# KiCad board iMX6_BareBones.kicad_pcb (continued)
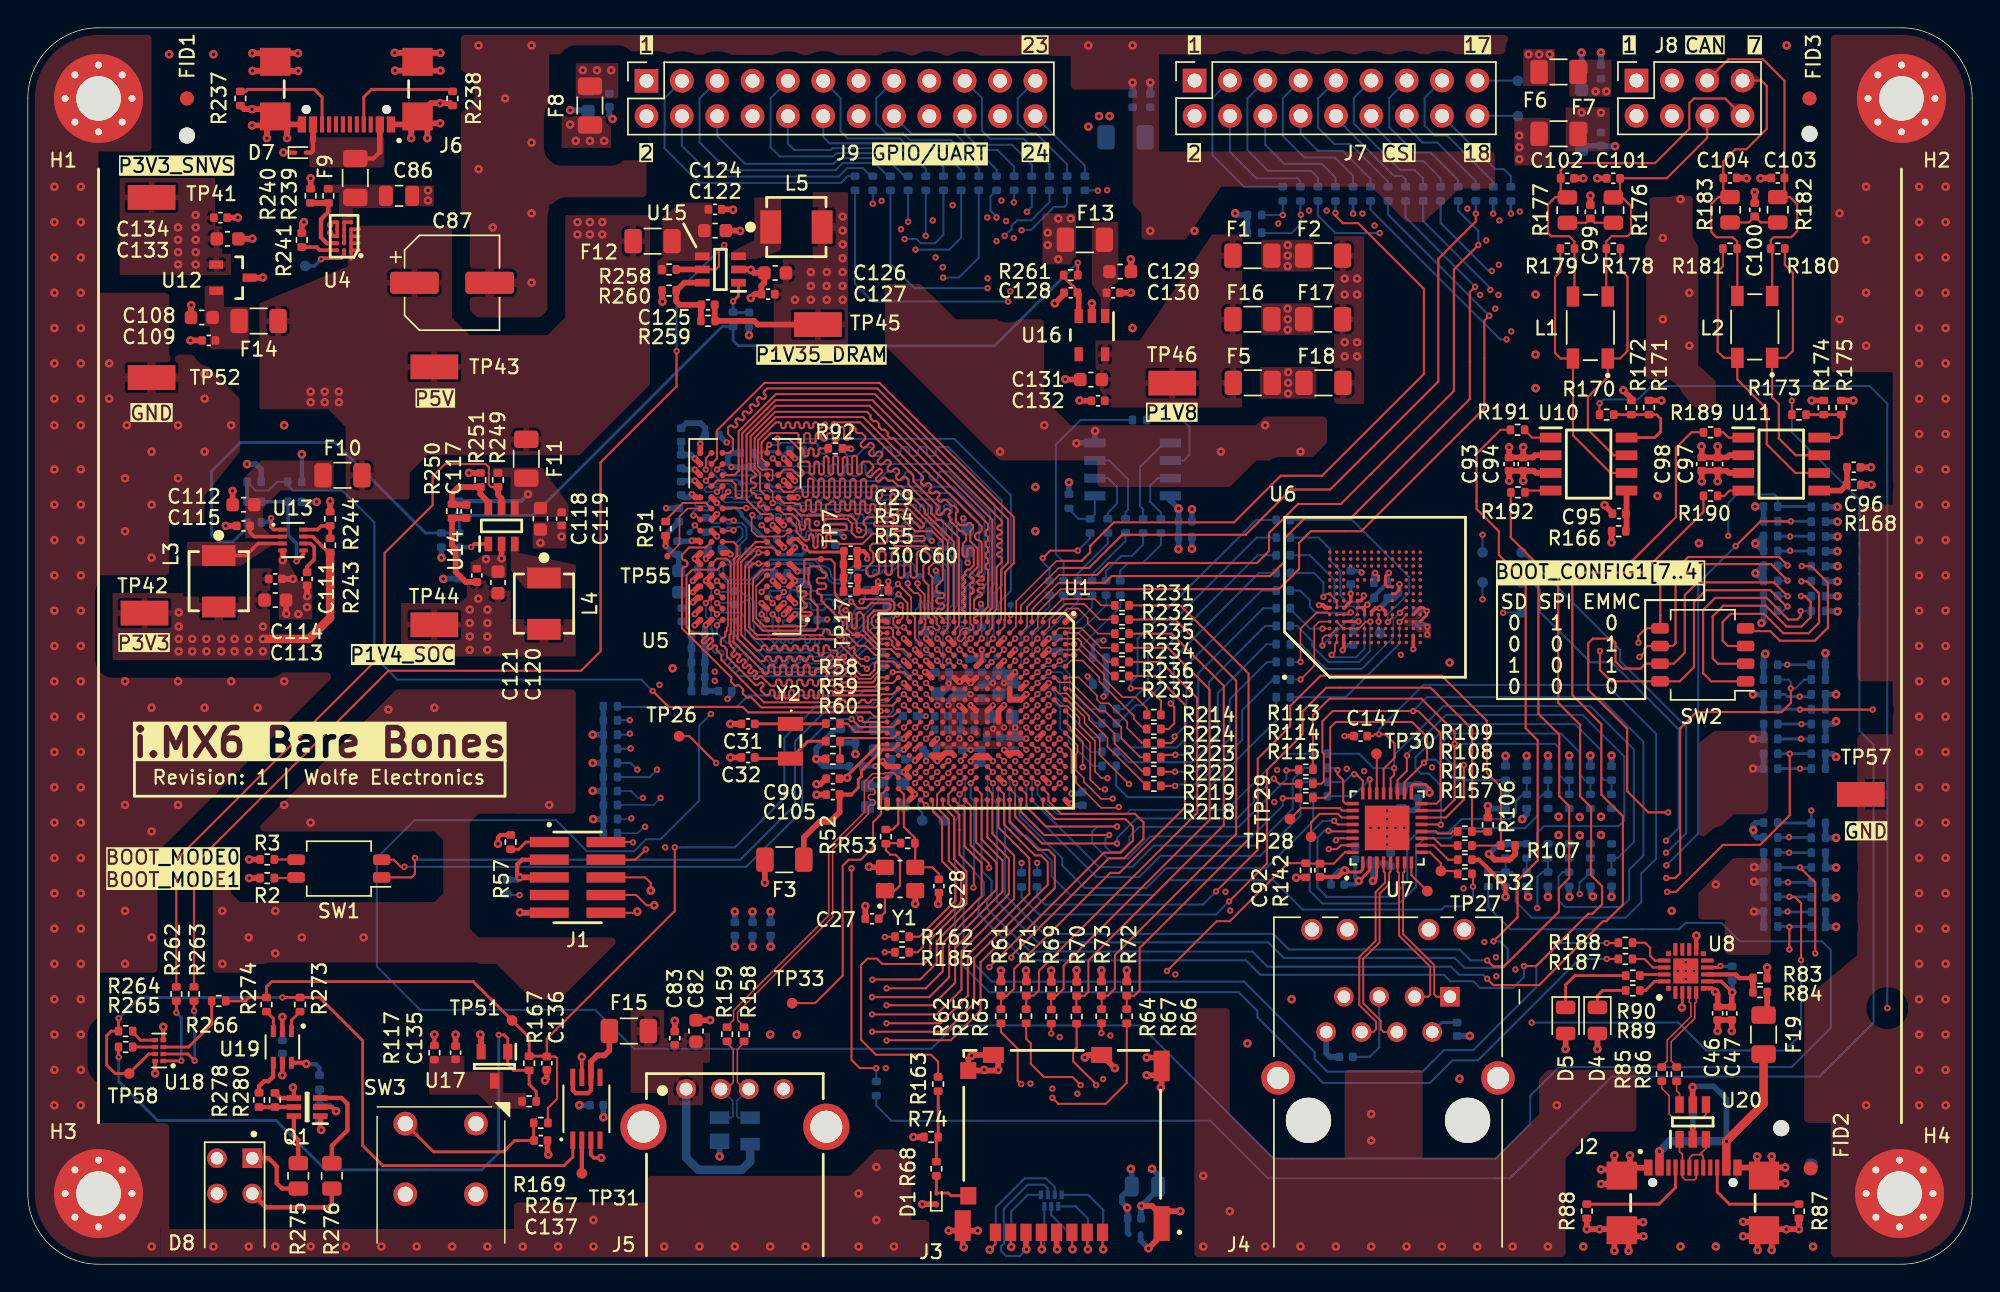
[diagram p0: board, top side]
## Routing (per net, layer and track width the routed paths; a pad name or vN(x,y) marks a point on that pad's centre or on a via; arc(x,y) is an arc through that point) (continued)
Net-(U6A-DATA_STROBE): length 1.4
  Top w0.143: U6.H5 97.04,46.21 v1(97.05,46.2)
  Bottom w0.143: TP34.1 97.05,45.47 v1(97.05,46.2)
Net-(U7-TXC): length 2.9
  Top w0.143: TP30.1 96.92,36.68 96.92,33.85 U7.22
Net-(U7-TXD2): length 4.9
  Top w0.143: U7.26 94.43,32.62 94.26,32.79 91.47,32.79 TP29.1
Net-(U7-TXD3): length 4.4
  Top w0.143: U7.27 94.4,32.12 94.14,32.38 92.81,32.38 92.2,31.78 TP28.1
Net-(U7-XO): length 2.5
  Top w0.143: TP27.1 99.41,27.97 U7.8
Net-(U9-FLG): length 2.4
  Top w0.305: TP31.1 39.81,6.53 U9.2
Net-(U18A-1A): length 5.7
  Top w0.203: v1(10.67,18.08) R262.2 ; U18.1 11.01,14.61 v1(11.02,14.63)
  Bottom w0.203: v1(10.67,18.08) 11.02,17.73 v1(11.02,14.63)
Net-(U18A-1B): length 6.8
  Top w0.203: R263.2 v1(11.94,18.21) ; U18.2 11.51,15.11 v1(11.99,14.63)
  Bottom w0.203: v1(11.94,18.21) 11.99,18.16 v1(11.99,14.63)
Net-(U19-1A): length 1.7
  Top w0.203: 19.56,18.16 18.94,17.54 U19.1
Net-(U19-2A): length 1.6
  Top w0.203: 17.14,18.16 17.64,17.67 U19.3

## Copper pours and planes (outline as drawn; the poured copper is in the pictures)
/Signal_Map/iMX6_Power/VDD_ARM_CAP on Top: 69.35,39.38 70.06,39.38 70.06,37.86 68.61,37.86 68.61,38.62 69.35,38.62
/Signal_Map/iMX6_Power/VDD_ARM_CAP on Bottom: 70.36,38.82 68.59,38.82 68.59,37.5 69.32,37.5 69.32,38.37 70.36,38.37
/Signal_Map/iMX6_Power/VDD_ARM_CAP on Bottom: 69.3,41.41 70.39,41.41 70.39,41.08 71.36,41.08 71.36,40.02 69.88,40.02 69.88,40.5 69.3,40.5
/Signal_Map/iMX6_Power/VDD_HIGH_CAP on In3.Cu: 64.06,43.15 67.39,43.21 67.41,35.59 63.35,35.59 63.35,35.06 62.59,35.05 62.59,36.63 64.87,36.63 64.87,42.19 64.06,42.19
/Signal_Map/iMX6_Power/VDD_SOC_CAP on Top: 65.92,41.24 68.03,41.24 68.03,41.08 70.06,41.08 70.06,40.22 66.83,40.22 66.83,38.59 68.48,38.59 68.46,37.78 65.92,37.81
/Signal_Map/iMX6_Power/VDD_SOC_CAP on Bottom: 65.84,40.28 66.4,40.28 66.4,37.55 65.84,37.55
/Signal_Map/Power2/P1V4_LX on Top: 34.7,51.77 35.26,51.77 35.26,51.16 39.37,50.29 39.37,48.56 35.71,48.56 34.7,49.89
/Signal_Map/Power2/P1V35_LX on Top: 50.55,72.77 52.2,73.66 52.2,76.71 54.12,76.71 54.1,72.9 52.32,72.26 50.55,72.26
/Signal_Map/Power/P3V3_SW on Top: 17.53,51.94 11.43,51.94 11.43,50.17 15.24,50.17 17.53,51.69
GND on Top: 32.38,67.94 31.11,69.22 31.11,88.9 106.68,88.9 106.68,87 81.28,87 81.28,80.01 105.41,80.01 105.41,77.34 102.87,77.34 100.33,74.93 99.06,74.93 96.52,77.47 85.72,77.47 83.19,73.66 80.01,73.66 80.01,75.56 79.38,76.2 79.38,84.45 74.93,84.45 74.93,86.87 37.46,87 37.46,79.38 44.45,79.38 44.45,76.2 37.46,76.2 37.46,68.58 36.83,67.94
GND on Top: 83.82,18.42 83.82,0 110.49,0 110.49,7.62 112.39,9.53 115.57,9.53 115.57,13.97 109.22,13.97 108.59,13.33 108.59,10.8 105.41,7.62 100.22,7.62 100.22,13.97 94.61,13.97 94.61,7.62 89.53,7.62 86.36,10.8 86.36,18.42
GND on Top: 18.03,50.67 18.03,46.36 20.45,46.36 20.45,49.15 19.43,49.15 18.67,50.67
GND on Top: 5.08,80.01 5.08,69.85 10.16,69.85 10.16,65.38 12.06,65.41 15.24,62.23 15.24,58.42 12.7,55.25 12.7,53.34 10.16,53.34 10.16,49.53 5.08,49.53 5.08,42.55 22.86,42.55 14.6,34.29 14.6,26.67 15.24,26.03 29.21,26.03 29.84,26.67 29.84,30.48 29.21,31.11 15.88,31.11 15.88,31.75 26.03,42.55 39.37,42.55 39.37,32.39 32.38,32.39 31.75,31.75 31.75,24.13 32.38,23.5 42.54,23.5 42.54,22.86 38.73,19.05 36.19,19.05 33.66,21.59 16.51,21.59 15.85,20.95 5.08,20.95 5.08,10.16 10.16,10.14 10.16,-0.02 0,0 0,88.9 8.89,88.9 8.89,80.01
GND on Top: 9.52,-0.02 9.52,2.54 34.92,2.54 34.92,4.44 44.45,4.44 44.45,6.35 59.06,6.35 60.96,8.25 63.5,8.25 63.5,3.17 64.77,3.17 64.77,0
GND on Top: 70.77,41.18 70.77,42.38 70.19,42.38 70.19,42.1 69,42.09 68.99,41.74 66.45,41.74 66.45,42.07 65.89,42.07 65.89,41.69 65.54,41.69 65.54,41.18
GND on Top: 65.94,40.8 65.13,40.8 65.13,39.89 65.54,39.89 65.54,38.01 65.92,37.98
GND on Top: 120.01,26.67 122.56,29.21 125.23,29.21 125.23,22.22 121.92,22.22 121.92,24.77 120.01,24.77
GND on Top: 116.2,76.84 120.01,76.84 120.01,64.64 121.28,63.5 121.28,61.59 119.76,61.59 118.11,63.5 116.2,63.5
GND on Top: 31.8,50.44 32.77,51 34.39,51 34.39,49.33 33.32,49.33 32.56,49.73 31.8,49.73
GND on Top: 120.01,37.47 121.28,38.42 125.04,38.42 125.04,32.35 122.56,32.35 120.65,30.48 120.01,30.48
GND on Top: 36.27,53.39 38.71,53.39 38.71,51.46 36.27,51.46
GND on Top: 27.09,77.56 29.17,77.56 29.17,76.06 27.09,76.06
GND on Top: 65.41,37.06 70.89,37.05 70.89,37.54 71.98,37.54 71.98,38.07 71.53,38.07 71.53,38.81 70.82,38.81 70.82,40.13 70.26,40.13 70.26,37.64 67.28,37.64 67.28,38.05 66.65,38.05 66.65,37.59 65.41,37.59
GND on Top: 129.54,0 139.7,0 139.7,88.9 129.54,88.9 129.54,64.13 133.98,64.13 133.98,54.61 131.44,54.61 131.44,41.91 133.98,41.91 133.98,38.1 131.44,38.1 131.44,22.22 127.63,19.05 127.63,10.16 129.54,10.16
GND on Top: 93.34,59.06 92.07,57.78 88.26,57.78 86.36,55.88 76.84,55.88 76.84,57.78 69.85,57.78 61.59,66.04 61.59,70.48 64.13,70.48 66.67,67.94 73.03,67.94 73.03,62.23 74.93,60.33 88.26,60.33 88.9,60.96 93.34,60.96
GND on Bottom: 139.7,88.9 125.22,88.9 125.22,80.65 124.46,80.01 116.2,80.01 116.2,78.74 109.22,78.74 109.22,74.93 107.95,73.66 107.95,65.41 107.31,64.77 105.41,64.77 98.42,71.75 97.16,71.75 97.16,64.13 96.52,63.5 92.07,63.5 92.07,60.33 89.53,58.42 89.53,55.25 96.52,55.25 100.33,50.8 102.23,50.8 102.23,52.83 104.78,54.61 104.78,57.15 105.41,57.78 108.59,57.78 109.22,57.15 109.22,52.07 114.94,46.36 118.11,46.36 118.11,49.53 120.65,52.07 120.65,53.97 118.75,55.88 118.75,57.78 122.56,57.78 123.82,56.52 127,56.52 127,57.78 125.09,59.69 125.09,61.59 118.75,61.59 117.47,60.33 111.76,60.33 111.12,60.96 111.12,64.13 111.76,64.77 132.72,64.77 134.62,62.86 134.62,17.14 129.54,12.06 123.82,12.06 123.82,4.92 115.57,4.92 115.57,11.43 113.66,11.43 107.31,5.08 88.26,5.08 84.45,8.89 82.55,8.89 82.55,1.91 78.74,1.91 78.74,0 139.7,0
GND on Bottom: 58.42,23.5 60.96,26.03 60.96,26.67 55.25,26.67 55.25,22.22 54.61,21.59 49.53,21.59 48.89,22.22 48.89,26.92 46.99,26.92 46.99,23.5 46.35,22.86 41.91,22.86 41.28,23.5 41.28,26.67 36.83,26.67 36.83,25.4 36.19,24.77 31.75,24.77 31.11,25.4 31.11,26.67 27.3,26.67 27.3,22.22 29.84,19.69 41.91,19.69 45.09,16.51 58.42,16.54
GND on Bottom: 64.01,34.01 63.53,34.01 63.53,33.88 62.1,33.88 62.1,34.04 59.82,34.04 59.82,32.39 63.5,32.39 63.5,33.53 64.01,33.53
GND on Bottom: 49.53,61.59 51.44,61.59 52.07,60.96 67.94,60.96 69.22,59.69 71.75,59.69 74.93,62.86 84.45,62.86 85.09,62.23 85.09,54.61 87.63,54.61 87.63,59.06 89.53,60.33 89.53,61.59 88.9,62.23 88.62,72.39 85.72,72.39 85.09,73.03 85.09,77.47 84.45,78.1 79.38,78.1 79.38,73.66 78.74,73.03 78.74,70.48 77.98,69.85 75.56,69.85 70.48,64.77 49.53,64.77
GND on Bottom: 94.49,33.02 100.41,33.02 100.41,31.37 99.57,31.37 98.68,30.48 98.68,29.34 97.54,29.34 97.54,29.97 96.01,29.97 96.01,29.84 94.49,29.84
GND on Bottom: 47.99,45.01 48.17,45.72 48.17,47.03 47.56,47.03 47.32,46.57 46.65,46.57 46.65,45 47.99,45
GND on Bottom: 64.88,41.49 65.64,41.49 65.64,38.09 64.88,38.09
GND on Bottom: 0,88.9 37.46,88.9 37.46,78.74 45.09,78.74 47.62,76.33 47.62,73.66 44.45,70.48 44.45,64.77 36.19,56.52 27.94,56.39 24.13,60.33 24.13,64.13 23.37,64.77 17.14,64.77 11.43,58.42 11.43,51.94 8.89,49.53 8.89,43.18 9.52,42.55 22.86,42.55 24.77,40.64 38.73,40.64 38.73,33.66 38.1,33.02 26.67,33.02 23.49,29.84 23.49,20.32 27.3,17.14 27.3,14.61 31.75,14.61 31.75,12.19 23.49,12.19 23.49,14.61 20.32,17.14 20.32,20.95 5.71,20.95 5.08,20.32 5.08,12.19 8.25,8.89 11.43,8.89 11.43,3.17 18.41,3.17 19.05,3.81 19.05,5.08 24.77,5.08 24.77,3.17 25.4,2.54 34.92,2.54 35.56,3.17 35.56,16.51 38.1,16.51 38.1,9.53 38.73,8.89 41.28,8.89 42.54,7.62 42.54,6.98 43.18,6.35 46.35,6.35 47.62,5.08 57.78,5.08 60.32,7.62 66.67,7.62 66.67,0 0,0
GND on In1.Cu, In4.Cu: 0,88.9 139.7,88.9 139.7,0 0,0
GND on In2.Cu: 0,88.9 42.16,88.9 42.16,75.95 52.58,75.95 52.58,68.83 39.88,56.39 39.88,49.02 0,48.77
GND on In3.Cu: 0,88.9 36.58,88.9 36.58,80.26 125.22,80.26 125.22,88.9 139.7,88.9 139.7,0 0,0
P1V4_SOC on Top: 26.82,47.55 30.99,47.55 31.55,48.01 31.55,49.23 32.77,49.23 33.32,48.46 34.7,48.46 34.7,46.38 39.37,46.38 39.37,43.69 26.82,43.69
P1V4_SOC on Top: 67.13,39.99 69.15,39.99 69.14,38.77 67.13,38.76
P1V4_SOC on Bottom: 68.21,40.98 68.92,40.98 68.92,40.37 69.55,40.37 69.55,39.97 69.65,39.97 69.65,38.9 68.31,38.9 68.31,37.55 67.49,37.55 67.49,39.94 66.68,39.94 66.68,40.37 68.21,40.37
P1V4_SOC on In2.Cu: 40.39,48.51 47.02,40.16 60.2,40.13 62.69,41.1 70.46,41.11 70.46,37.34 64.95,37.34 64.16,37.92 58.22,37.92 57.53,37.29 27.43,37.34 26.72,38.1 26.72,48.51
P1V8 on Top: 79.88,66.42 85.09,74.04 87.25,74.04 87.25,61.21 77.22,61.21 77.22,62.61 76.84,63.12 76.84,64.13 76.71,64.52 76.71,66.42
P1V8_EMMC_IO on Top: 100.28,46.94 99.54,46.94 99.54,46.43 98.81,46.43 98.81,45.87 99.69,45.87 99.69,45.44 100.28,45.44 100.28,45.01 100.84,45.01 100.84,46.1 100.28,46.1
P1V8_EMMC_IO on Top: 88.52,64.52 92.58,64.52 92.58,62.23 88.52,62.23
P1V8_EMMC_IO on In2.Cu: 101.09,54.86 92.96,61.98 92.96,65.02 88.65,65.02 88.65,52.83 98.81,52.83 98.81,49.02 93.98,49.02 93.98,47.75 98.81,47.75 98.81,44.7 101.09,44.7
P1V35_DRAM on Top: 58.93,77.09 58.93,65.53 53.59,65.53 53.59,70.48 54.23,70.48 54.23,72.26 56.39,72.26 56.39,77.09
P1V35_DRAM on Top: 70.09,41.9 70.09,42.66 65.39,42.66 65.39,41.87
P1V35_DRAM on Bottom: 48.27,43.6 49,43.6 49.99,42.2 49.99,40.7 48.27,40.7
P1V35_DRAM on Bottom: 46.28,48.79 47.24,48.79 47.74,50.28 48.46,50.28 48.46,49.59 48.18,49.17 48.18,47.35 47.33,47.35 47.33,46.86 46.28,46.86
P1V35_DRAM on Bottom: 66.68,41.67 66.68,42.91 68.97,42.91 68.97,42.15 68.08,42.15 68.07,41.66
P1V35_DRAM on In2.Cu: 59.18,75.77 53.34,75.77 53.34,68.83 40.39,56.13 40.39,49.53 47.47,40.64 59.94,40.64 61.72,41.4 69.85,41.4 69.85,46.99 71.21,46.99 71.17,64.01
P3V3 on Top: 75.31,75.56 72.9,75.56 72.9,71.88 75.31,71.88
P3V3 on Top: 107.44,87.38 109.73,87.38 109.73,84.71 107.44,84.71
P3V3 on Top: 17.4,48.64 17.53,48.64 17.53,50.04 16,50.04 16,48.01 11.18,48.01 11.18,48.26 6.1,48.26 6.1,43.43 17.4,43.43
P3V3 on Top: 93.85,73.91 96.01,73.91 96.01,61.85 93.85,61.85
P3V3 on Top: 38.35,82.55 41.91,82.55 41.91,80.26 38.35,80.26
P3V3 on Bottom: 114.17,31.14 114.17,29.95 108.89,29.95 108.89,31.14
P3V3 on Bottom: 75.69,83.06 78.23,83.06 78.23,80.01 75.69,80.01
P3V3 on Bottom: 114.15,33.05 114.15,31.85 108.86,31.85 108.86,33.05
P3V3 on In2.Cu: 18.03,32.51 19.3,31.24 37.59,31.24 37.59,9.91 40.89,9.91 49.53,26.16 55.12,26.16 55.12,31.75 60.71,31.75 60.71,36.07 61.47,36.07 61.47,35.56 65.02,35.56 65.02,36.83 69.85,36.83 69.85,37.34 70.61,37.34 70.61,36.83 71.37,36.83 71.37,39.62 87.63,39.62 88.9,40.89 88.9,52.07 98.3,52.07 98.3,49.33 93.73,49.33 93.73,47.5 95.71,47.52 98.3,47.52 98.3,44.2 101.6,44.2 101.6,55.12 93.47,62.23 93.47,74.42 82.8,74.42 82.8,54.86 83.82,54.86 83.82,50.8 82.8,50.8 82.8,47.5 82.04,46.74 73.91,46.79 73.91,43.94 72.9,43.94 72.9,46.79 71.63,46.79 71.63,64.52 60.71,74.93 60.71,75.95 70.36,75.95 71.88,77.47 104.9,77.47 104.9,55.12 112.01,55.12 112.01,63.5 119.13,63.5 119.13,55.12 125.22,55.12 125.22,86.87 113.54,86.87 113.54,83.06 106.17,83.06 106.17,86.87 82.04,86.87 82.04,81.03 74.17,81.03 74.17,86.87 42.54,86.87 42.54,80.14 38.1,80.14 38.1,88.27 130.81,88.27 130.81,80.01 139.06,80.01 139.06,10.16 129.54,10.16 129.54,0.64 10.16,0.61 10.16,10.14 0.63,10.14 0.63,59.44 18.03,59.44
P3V3_CAM on Bottom: 78.99,83.44 82.04,83.44 82.04,83.95 84.84,83.95 84.84,79.63 78.99,79.63
P3V3_CAN on Top: 113.79,86.61 110.74,86.61 110.74,83.95 113.79,83.95
P3V3_CAN on Bottom: 116.97,86.49 113.79,86.49 113.79,85.6 112.52,85.6 112.52,84.96 110.87,84.96 110.87,83.95 113.92,83.95 113.92,84.2 116.97,84.2
P3V3_EXT on Top: 39.37,86.36 42.42,86.36 42.42,83.82 39.37,83.82
P3V3_EXT on Bottom: 39.37,86.36 41.4,88.27 66.29,88.27 66.29,83.57 63.25,83.57 63.25,86.36 45.72,86.36 45.72,83.82 39.37,83.82
P3V3_LDO1V8_VIN on Top: 76.45,74.93 78.36,74.93 78.36,70.61 77.85,70.36 77.85,69.47 77.72,69.09 77.72,68.2 77.09,68.2 77.09,69.47 76.45,70.48
P3V3_SNVS on Top: 6.6,78.1 13.46,78.1 13.46,74.63 13.97,74.63 13.97,72.64 14.6,72.64 14.6,71.12 6.6,71.12
P3V3_SNVS on In2.Cu: 5.59,78.49 16.64,78.49 16.64,71.88 26.16,65.79 26.16,37.59 26.92,36.83 57.66,36.83 58.42,37.59 64.52,37.59 64.52,36.07 57.91,36.07 57.15,34.8 24.13,34.8 23.37,35.56 23.37,64.26 13.46,70.61 5.59,70.61
P3V3_SUP on Top: 28.83,14.99 31.37,14.99 31.37,13.84 34.16,13.84 34.16,12.32 35.81,12.32 35.81,11.18 33.4,11.18 32.38,12.19 28.83,12.19
P5V on Top: 106.81,82.42 109.35,82.42 109.35,78.99 106.81,78.99
P5V on Top: 30.48,68.07 30.48,74.68 23.62,74.68 23.62,72.39 22.99,72.39 22.99,71.75 16.64,69.09 16.64,61.47 21.59,61.47 22.83,60.2 22.83,54.99 27.43,54.99 27.43,56.9 28.7,58.17 39.62,58.17 44.7,63.25 44.7,75.44 38.61,75.44 38.61,68.07 37.34,66.8 31.75,66.8
P5V on In2.Cu: 41.91,73.41 41.91,75.95 42.42,76.45 70.1,76.45 71.63,77.98 105.29,77.98 105.41,55.63 111.51,55.63 111.51,64.01 119.63,64.01 119.63,55.63 124.71,55.63 124.71,80.52 114.81,80.52 112.78,82.55 106.43,82.55 106.43,80.52 38.86,80.52 38.86,73.41
P5V on In2.Cu: 22.86,63.75 22.84,35.05 23.62,34.29 57.66,34.29 58.42,35.56 60.2,35.56 60.2,32.51 54.36,32.51 54.36,26.92 49.02,26.92 40.39,10.67 38.35,10.67 38.35,14.73 38.46,31.75 19.56,31.75 18.67,32.51 18.67,63.75
P5V_BUCK1V4_VIN on Top: 34.67,56.59 33.38,56.59 33.38,57.28 36.96,57.28 38.86,54.61 38.86,53.72 34.67,53.72
P5V_BUCK1V35_VIN on Top: 49.15,72.14 45.97,72.14 45.97,71.12 45.21,71.12 45.21,72.14 45.59,72.39 45.59,75.31 46.99,76.33 49.15,76.33
P5V_BUCK3V3_VIN on Top: 17.4,52.45 16.89,52.96 16.89,54.36 18.16,55.63 21.97,55.63 21.97,57.78 16.76,57.78 15.62,56.64 15.62,52.2 17.4,52.2
P5V_CAN on Top: 110.49,83.19 110.49,80.01 113.66,80.01 113.66,83.19
P5V_CAN on Bottom: 111.12,83.44 114.17,83.44 114.17,83.95 116.97,83.95 116.97,81.03 111.12,81.03
P5V_LDO3V3_VIN on Top: 12.7,70.36 14.1,70.36 14.1,68.83 15.88,68.83 15.88,65.79 13.08,65.79 13.08,67.44 12.7,67.44
P5V_USB_HOST on Top: 43.31,18.29 45.72,18.29 45.72,16.26 47.12,16.26 47.12,16.64 49.02,16.64 49.02,14.48 48.51,14.48 48.51,11.43 45.97,11.43 45.97,12.32 43.31,12.32
P5V_VBUS on Top: 20.22,81.02 25.61,81.02 25.61,78.86 20.22,78.86
P5V_VBUS_OVLO on Top: 21.26,77.62 26.29,77.62 26.29,75.95 23.37,75.95 23.37,74.93 22.58,74.93 22.58,75.44 22.35,75.44 22.35,77.04 21.26,77.04
/Signal_Map/iMX6_Power/NVCC_PLL on Bottom: 62.95,36.54 62.92,34.1 63.48,34.1 63.51,36.54
DRAM_VREF on Bottom: 55.51,52.01 58.99,52.01 63.02,51.97 63.02,51.32 64.19,51.32 64.88,50.51 64.88,48.6 65.61,48.6 65.61,47.77 63.61,47.77 63.61,44.56 63.96,44.31 63.96,43.93 63.3,43.93 63.3,45.27 63.05,45.27 63.05,48.47 64.41,48.47 64.41,50.17 63.58,50.85 62.31,50.85 62.31,51.29 58.2,51.27 55.51,51.27
NVCC_CSI on Top: 88.62,71.37 88.62,73.66 92.43,73.66 92.43,71.37
NVCC_CSI on In2.Cu: 92.71,70.61 85.6,70.61 85.6,44.2 84.33,43.18 74.68,43.18 74.68,42.67 70.36,42.67 70.36,46.23 72.64,46.23 72.64,43.94 74.42,43.94 74.42,46.23 82.55,46.23 83.31,46.99 83.31,50.29 84.07,50.29 84.33,50.55 84.33,55.12 84.07,55.37 83.31,55.37 83.31,73.91 92.71,73.91
NVCC_NAND on Top: 88.62,69.09 92.43,69.09 92.43,66.8 88.62,66.8
NVCC_NAND on In2.Cu: 92.71,69.34 92.71,66.04 88.14,66.04 88.14,41.15 87.12,40.13 71.36,40.13 71.37,42.16 75.18,42.16 75.18,42.67 84.84,42.67 86.11,43.69 86.11,69.34

Small or netless copper shapes (teardrops, artwork), in the pictures only: 13 on Top, 32 on Bottom

## Text on the board
B.Silkscreen: 0 | 1 | BOOT_CFG1 / [0   ..   7] | BOOT_CFG2 / [0   ..   7] | BOOT_CFG4 / [0   ..   7]
F.Silkscreen: Revision: 1 | Wolfe Electronics | P3V3 | GND | BOOT_MODE0 / BOOT_MODE1 | P3V3_SNVS | P1V4_SOC | P5V | 1 | 2 | P1V35_DRAM | GPIO/UART | 23 | 24 | P1V8 | CSI | 17 | 18 | 0 | SD SPI EMMC | BOOT_CONFIG1[7..4] | CAN | 7 | i.MX6 Bare Bones
Fabrication_Notes: LAYER 1   COMPONENT/SIGNAL | LAYER 2   GROUND | LAYER 3   POWER | LAYER 4   SIGNAL | LAYER 5   GROUND | LAYER 6   COMPONENT/SIGNAL | 1 OZ | NOTES: UNLESS OTHERWISE SPECIFIED. / 1. FABRICATE PER IPC-6012A CLASS 2. / 2. FOR BOARD THICKNESS AND IMPEDANCE DETAILS / REFER STACKUP DOCUMENT. / 3. PRINTED WIRING BOARD SHALL COMPLY WITH / REQUIREMENTS OF ANSI/J-STD-003. / 4. SURFACE FINISH: ENIG / 5. SOLDERMASK ON BOTH SIDES OF THE BOARD SHALL / BE LPI, COLOR GREEN. / 6. SILK SCREEN LEGEND TO BE APPLIED PER LAYER / STACKUP USING WHITE NON-CONDUCTIVE EPOXY INK. / 7. THIS PRINTED WIRING BOARD IS DESIGNED WITH A / MINIMUM CONDUCTOR WIDTH AND SPACING OF / 4 MIL & 4 MILS. / 8. ALL VIAS ARE TENTED ON BOTH SIDES UNLESS / SOLDERMASK OPENED IN GERBER. / 9. ALL VIAS ON PAD SHOULD BE FILLED WITH NON / CONDUCTIVE EPOXY AND SURFACE SHOULD BE FLAT. / FLATNESS TOLERANCE FOR VIA ON / PADS: +0.000 /- 0.001 INCHES ON BOTH SIDES. / THE MANUFACTURER IS REQUESTED TO SIZE PER / THEIR SOLDERMASK TOLERANCE. / 10. SOLDER MASK OPENING IS KEPT SAME SIZE AS / PAD (1:1) FOR ALL COMPONENTS / 11. MANUFACTURER'S IDENTIFICATION, DATECODE LETTER / SHALL BE SILKSCREENED ON SOLDER SIDE OF THE BOARD. / 12. TRACE WIDTH SHOULD BE ACCURATELY ETCHED. / MAX TOLERANCE +/- 1 MIL / 13. ALL DIMENSIONS ARE IN INCHES UNLESS OTHERWISE / SPECIFIED. / 14. FLATNESS REQUIREMENTS: / A. BOW AND TWIST OF ASSEMBLY SUB-PANEL OR / SINGULATED PWB SHALL NOT EXCEED 0.7% OF / LONGEST SIDE / B. TEST IN ACCORDANCE WITH THE CURRENT REVISION / OF IPC-TM-650 2.4.22 / 15. LAYER TO LAYER REGISTRATION SHALL BE WITHIN +/-2 MIL / 16. IMPEDANCE CONTROL REQUIREMENTS / (ALL TOLERANCES +/- 10%): / A. ALL 5.62 MIL WIDE SINGLE-END TRACES ON / LAYER 1 (F.Cu) AND LAYER 6 (B.Cu) / SHALL BE 50 OHMS. / B. ALL 5.21 MIL WIDE/6.00 MIL SPACE PAIRS ON / LAYER 1 (F.Cu) AND LAYER 6 (B.Cu) / SHALL BE 90 OHMS. / C. ALL 4.30 MIL WIDE/7.00 MIL SPACE PAIRS ON / LAYER 1 (F.Cu) AND LAYER 6 (B.Cu) / SHALL BE 100 OHMS. / D. ANY ADJUSTMENTS OF LINE WIDTH, SPACING OR / DIELECTRIC THICKNESS SHALL REQUIRE APPROVAL / FROM ANDREW WOLFE. / E. TEST COUPONS SHALL BE PLACED AS REQUIRED BY / MANUFACTURER FOR IMPEDANCE MEASUREMENTS. / F. IMPEDANCE TEST RESULTS SHALL BE APPROVED / BY ANDREW WOLFE. / 17. FINISHED PCB MUST BE PANELIZED FOR ASSEMBLY / ACCORDING TO MANUFACTURER REQUIREMENTS. / THE ADDITION OF RAILS AND NON-PLATED TOOLING / HOLES ARE AT THE DISCRETION OF THE MANUFACTURER. / PANELIZATION MUST BE APPROVED BY ANDREW WOLFE.
